# Altium PCB 2016_BeaconIR_YahourtPhone.PCBDOC (part 1 of 2) (continued)
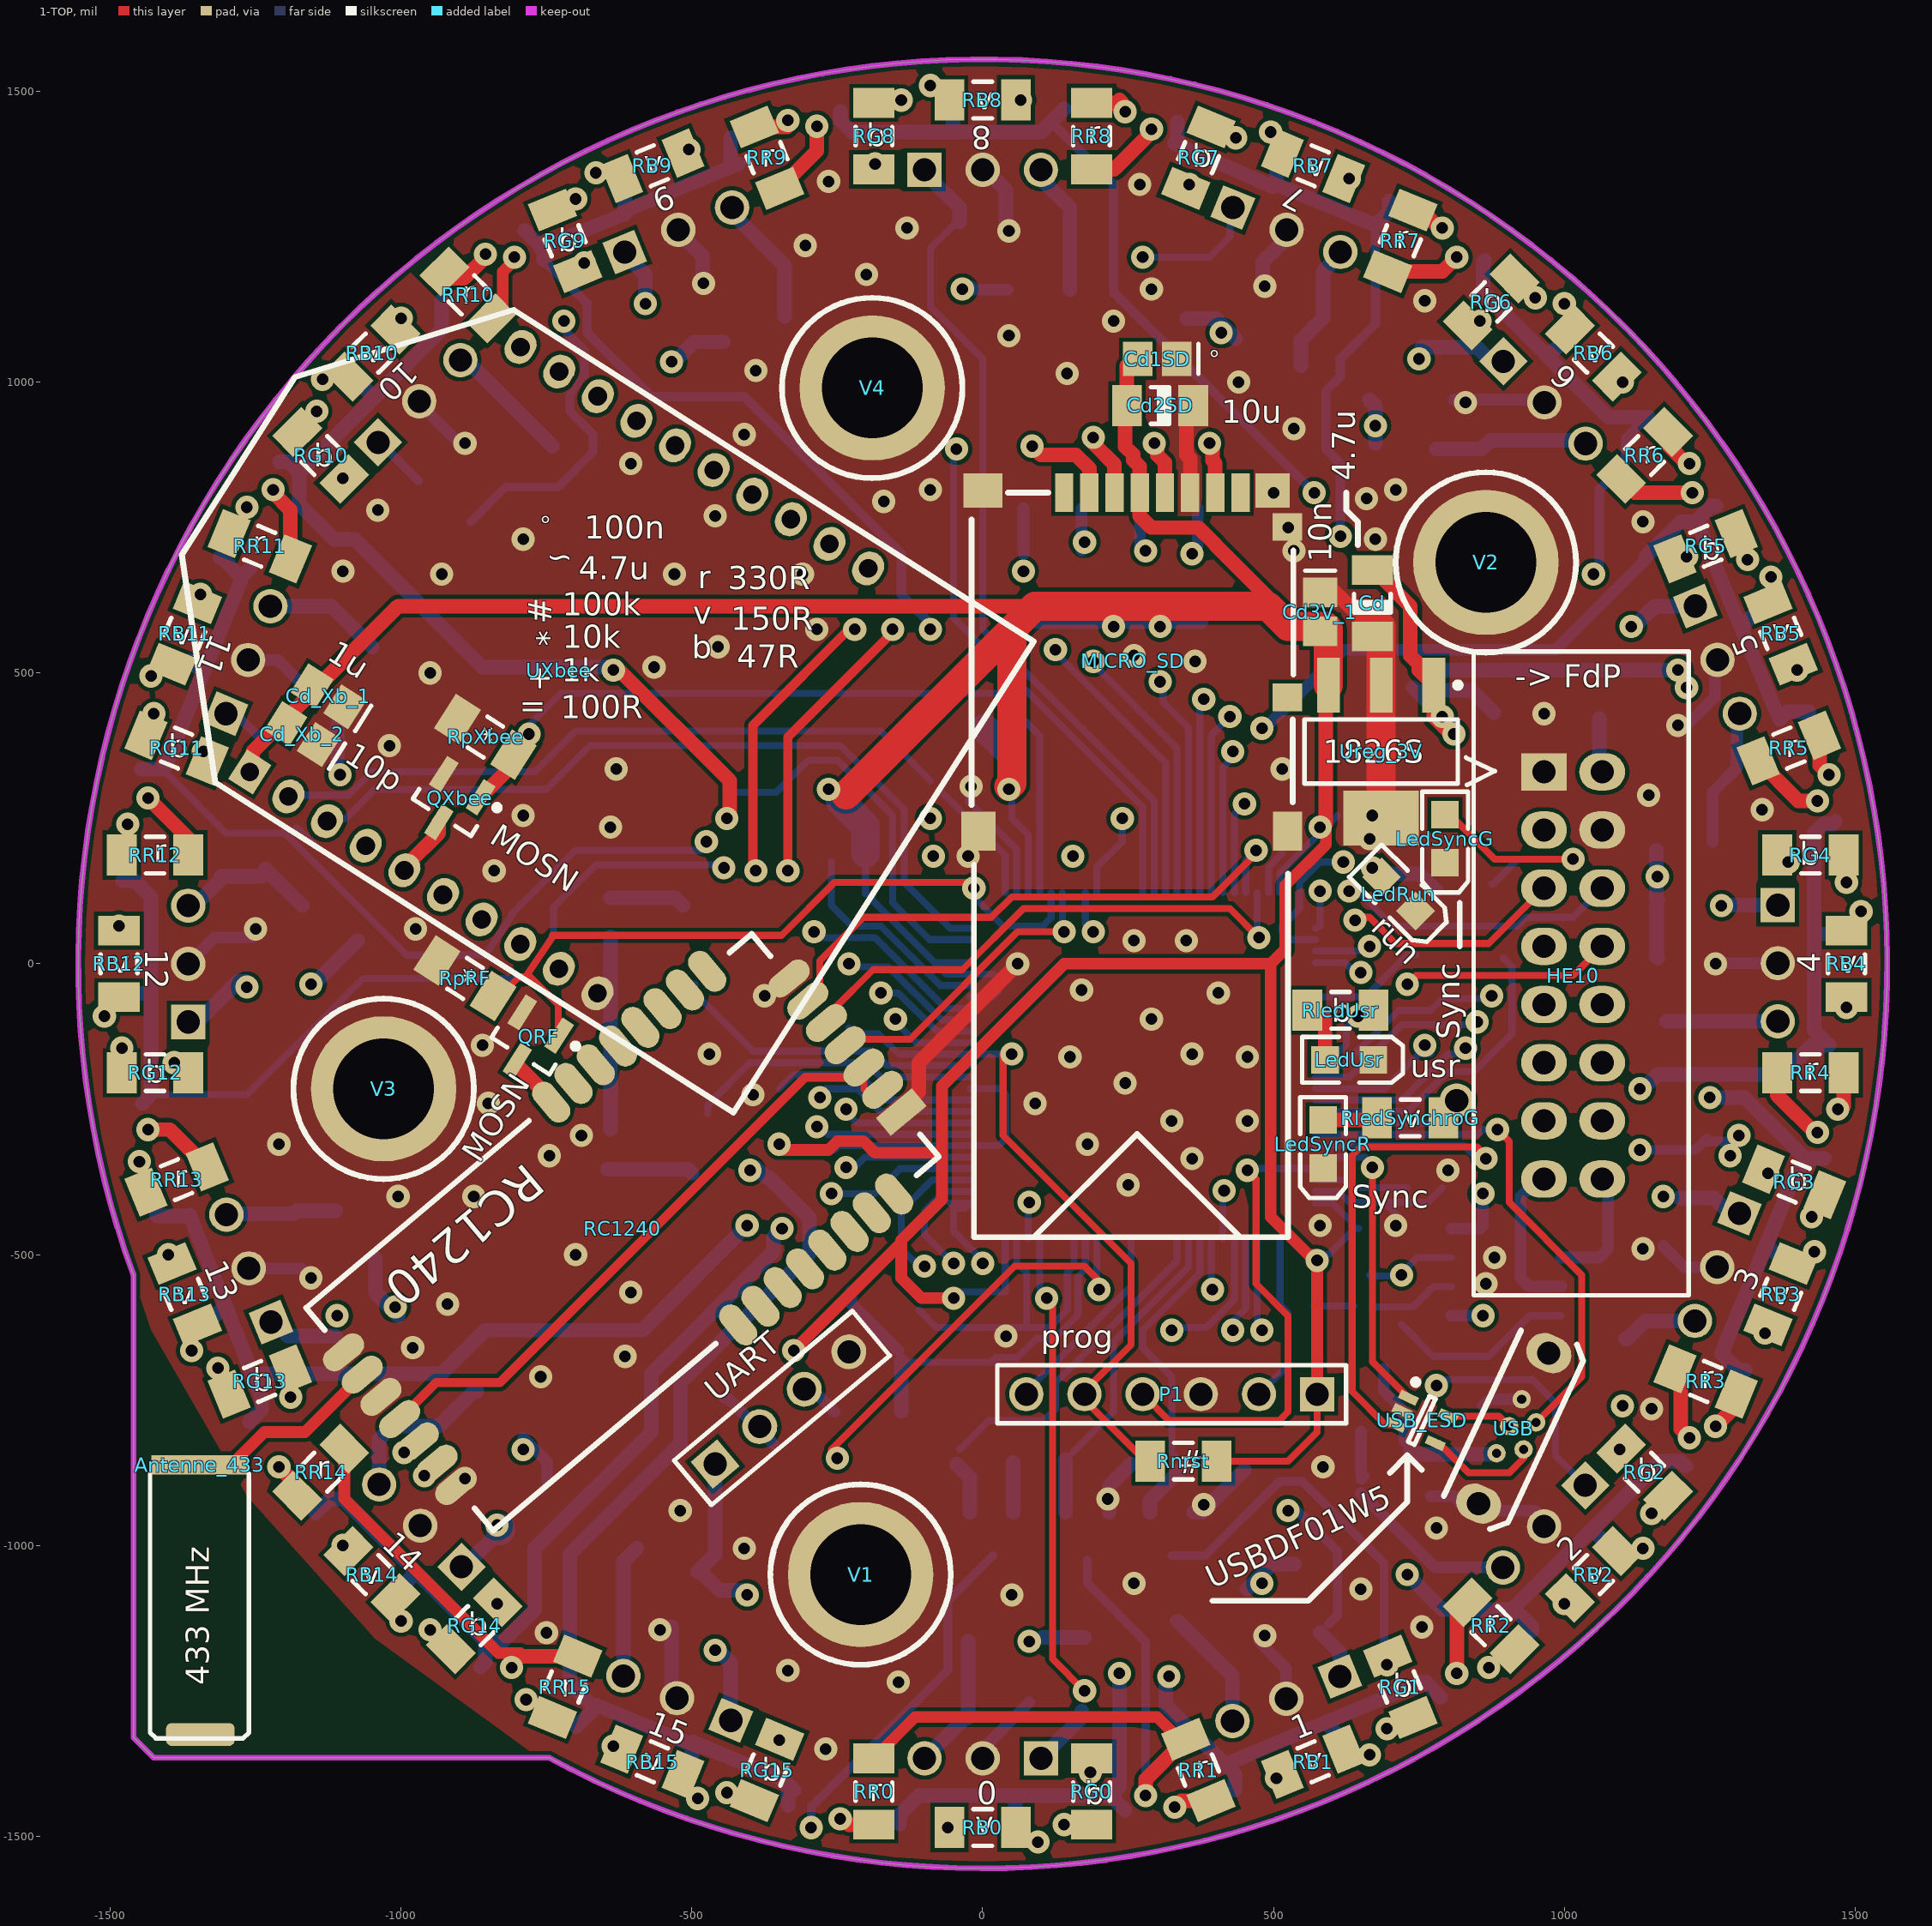
[diagram p0: 1-TOP view]
## Components (designator, comment, footprint, x,y, rotation, side; value= is the part's Value field where it differs from the comment)
Antenne_433 "433MHz" R1206_N#1 -1345,-1090 r270 top
C46 "17pF" C0805_N -645,-320 r270 bottom
C47 "17pF" C0805_N -640,80 r90 bottom
C49 "2.2uF" C0805_N 515,295 r270 bottom
C50 "2.2uF" C0805_N 765,-365 r180 bottom
Cd "10nF" C1206_N 670,620 r90 top
Cd0 "100nF" C0805_N -235,190 r0 bottom
Cd1 "100nF" C0805_N -50,-605 r90 bottom
Cd1SD "100nF" C0805_N 300,1040 r180 top
Cd2 "100nF" C0805_N -30,405 r0 bottom
Cd2SD "10uF" C1206_N 305,960 r180 top
Cd3 "100nF" C0805_N 600,295 r270 bottom
Cd3V_1 "4.7u" C0805_N 580,605 r270 top
Cd4 "100nF" C0805_N 575,-550 r90 bottom
Cd5 "1nF" C0805_N 680,-455 r180 bottom
Cd6 "1nF" C0805_N -235,120 r0 bottom
Cd7 "1nF" C0805_N 15,325 r0 bottom
Cd8 "1nF" C0805_N -360,-265 r270 bottom
Cd9 "1nF" C0805_N 25,-605 r90 bottom
Cd_Xb_1 "1uF" C0805_N -1125,460 r147.5 top
Cd_Xb_2 "10pF" C0805_N -1170,395 r147.5 top
Cdcan1 "100nF" C0805_N 650,-570 r90 bottom
Cdcan2 "1µF" C0805_N 715,-570 r90 bottom
CdUsb "2.2uF" C0805_N 840,-800 r65 bottom
Cf0 "1657937" C1206_N 40,-1255 r180 bottom
Cf1 "1657937" C1206_N 429,-1185 r202.5 bottom
Cf2 "1657937" C1206_N 705,-905 r160 bottom
Cf3 "1657937" C1206_N 1141,-534 r247.5 bottom
Cf4 "1657937" C1206_N 1259,-57 r270 bottom
Cf5 "1657937" C1206_N 1215,350 r292.5 bottom
Cf6 "1657937" C1206_N 830,950 r315 bottom
Cf7 "1657937" C1206_N 534,1141 r337.5 bottom
Cf8 "1657937" C1206_N 102,1259 r0 bottom
Cf9 "1657937" C1206_N -429,1185 r22.5 bottom
Cf10 "1657937" C1206_N -850,930 r45 bottom
Cf11 "1657937" C1206_N -1141,534 r67.5 bottom
Cf12 "1657937" C1206_N -1255,115 r90 bottom
Cf13 "1657937" C1206_N -1160,-489 r112.5 bottom
Cf14 "1657937" C1206_N -900,-835 r135 bottom
Cf15 "1657937" C1206_N -589,-1116 r157.5 bottom
Cnrst "100nF" C0805_N -270,-100 r0 bottom
Cu1rx "100pF" C0805_N -130,-630 r270 bottom
DB0 "LED" LED_sideView_1204 5,-1485 r180 bottom
DB1 "LED" LED_sideView_1204 568,-1372 r202.5 bottom
DB2 "LED" LED_sideView_1204 1050,-1050 r225 bottom
DB3 "LED" LED_sideView_1204 1372,-568 r247.5 bottom
DB4 "LED" LED_sideView_1204 1485,0 r270 bottom
DB5 "LED" LED_sideView_1204 1372,568 r292.5 bottom
DB6 "LED" LED_sideView_1204 1050,1050 r315 bottom
DB7 "LED" LED_sideView_1204 568,1372 r337.5 bottom
DB8 "LED" LED_sideView_1204 0,1485 r0 bottom
DB9 "LED" LED_sideView_1204 -568,1372 r22.5 bottom
DB10 "LED" LED_sideView_1204 -1050,1050 r45 bottom
DB11 "LED" LED_sideView_1204 -1372,568 r67.5 bottom
DB12 "LED" LED_sideView_1204 -1485,0 r90 bottom
DB13 "LED" LED_sideView_1204 -1372,-568 r112.5 bottom
DB14 "LED" LED_sideView_1204 -1050,-1050 r135 bottom
DB15 "LED" LED_sideView_1204 -568,-1372 r157.5 bottom
DG0 "LED" LED_sideView_1204 194,-1472 r187.5 bottom
DG1 "LED" LED_sideView_1204 743,-1286 r210 bottom
DG2 "LED" LED_sideView_1204 1178,-904 r232.5 bottom
DG3 "LED" LED_sideView_1204 1434,-384 r255 bottom
DG4 "LED" LED_sideView_1204 1472,194 r277.5 bottom
DG5 "LED" LED_sideView_1204 1286,743 r300 bottom
DG6 "LED" LED_sideView_1204 904,1178 r322.5 bottom
DG7 "LED" LED_sideView_1204 384,1434 r345 bottom
DG8 "LED" LED_sideView_1204 -194,1472 r7.5 bottom
DG9 "LED" LED_sideView_1204 -743,1286 r30 bottom
DG10 "LED" LED_sideView_1204 -1178,904 r52.5 bottom
DG11 "LED" LED_sideView_1204 -1434,384 r75 bottom
DG12 "LED" LED_sideView_1204 -1472,-194 r97.5 bottom
DG13 "LED" LED_sideView_1204 -1286,-743 r120 bottom
DG14 "LED" LED_sideView_1204 -904,-1178 r142.5 bottom
DG15 "LED" LED_sideView_1204 -384,-1434 r165 bottom
DR0 "LED" LED_sideView_1204 -194,-1472 r172.5 bottom
DR1 "LED" LED_sideView_1204 384,-1434 r195 bottom
DR2 "LED" LED_sideView_1204 904,-1178 r217.5 bottom
DR3 "LED" LED_sideView_1204 1286,-743 r240 bottom
DR4 "LED" LED_sideView_1204 1472,-194 r262.5 bottom
DR5 "LED" LED_sideView_1204 1434,384 r285 bottom
DR6 "LED" LED_sideView_1204 1178,904 r307.5 bottom
DR7 "LED" LED_sideView_1204 743,1286 r330 bottom
DR8 "LED" LED_sideView_1204 194,1472 r352.5 bottom
DR9 "LED" LED_sideView_1204 -384,1434 r15 bottom
DR10 "LED" LED_sideView_1204 -904,1178 r37.5 bottom
DR11 "LED" LED_sideView_1204 -1286,743 r60 bottom
DR12 "LED" LED_sideView_1204 -1472,194 r82.5 bottom
DR13 "LED" LED_sideView_1204 -1434,-384 r105 bottom
DR14 "LED" LED_sideView_1204 -1178,-904 r127.5 bottom
DR15 "LED" LED_sideView_1204 -743,-1286 r150 bottom
Dz5V1 "Diode Zener" "SMA Diode" 740,400 r90 bottom
HE10 "BARRETTE_8 CONTACTS_2 RANGEES_MALE_DROITE" "HE10/16_M_D_B P" 1065,330 r270 top (schematic designator J?)
LedRun "LED Verte" LED_0805 715,120 r315 top
LedSyncG "LED Verte" LED_0805 795,215 r270 top
LedSyncR "LED Verte" LED_0805 585,-310 r270 top
LedUsr "LED Bleue" LED_0805 630,-165 r0 top
MICRO_SD "MOLEX_MICRO_SD_HEADER_5027740891" MOLEX_MICRO_SD_HEADER_5027740891 140,810 r180 top locked
P1 "ProgSWD" HDR1X6 575,-740 r180 top
Qb "MOSN" SOT23-3N 15,-980 r270 bottom
Qg "MOSN" SOT23-3N 325,-980 r270 bottom
Qr "MOSN" SOT23-3N 180,-980 r270 bottom
QRF "Transistor MOSFET-N" SOT23-3N -780,-135 r237.5 top
QXbee "Transistor MOSFET-N" SOT23-3N -915,275 r237.5 top
RB0 "47" R1206_N#2 0,-1485 r180 top
RB1 "47" R1206_N#2 568,-1372 r202.5 top
RB2 "47" R1206_N#2 1050,-1050 r225 top
RB3 "47" R1206_N#2 1372,-568 r247.5 top
RB4 "47" R1206_N#2 1485,0 r270 top
RB5 "47" R1206_N#2 1372,568 r292.5 top
RB6 "47" R1206_N#2 1050,1050 r315 top
RB7 "47" R1206_N#2 568,1372 r337.5 top
RB8 "47" R1206_N#2 0,1485 r0 top
RB9 "47" R1206_N#2 -568,1372 r22.5 top
RB10 "47" R1206_N#2 -1050,1050 r45 top
RB11 "47" R1206_N#2 -1372,568 r67.5 top
RB12 "47" R1206_N#2 -1485,0 r90 top
RB13 "47" R1206_N#2 -1372,-568 r112.5 top
RB14 "47" R1206_N#2 -1050,-1050 r135 top
RB15 "47" R1206_N#2 -568,-1372 r157.5 top
RC1240 "RC1240-Radiocraft" RC1240 -140,-255 r220 top
RdwnWAmI "0" R1206_N#2 -490,315 r0 bottom
Rf0 "47" R1206_N#2 45,-1150 r180 bottom
Rf1 "47" R1206_N#2 393,-1091 r202.5 bottom
Rf2 "47" R1206_N#2 670,-750 r250 bottom
Rf3 "47" R1206_N#2 1070,-710 r67.5 bottom
Rf4 "47" R1206_N#2 1159,-55 r270 bottom
Rf5 "47" R1206_N#2 1215,195 r0 bottom
Rf6 "47" R1206_N#2 720,885 r0 bottom
Rf7 "47" R1206_N#2 494,1050 r337.5 bottom
Rf8 "47" R1206_N#2 100,1159 r0 bottom
Rf9 "47" R1206_N#2 -393,1091 r22.5 bottom
Rf10 "47" R1206_N#2 -780,860 r45 bottom
Rf11 "47" R1206_N#2 -1050,494 r67.5 bottom
Rf12 "47" R1206_N#2 -1130,75 r135 bottom
Rf13 "47" R1206_N#2 -1060,-470 r112.5 bottom
Rf14 "47" R1206_N#2 -828,-766 r135 bottom
Rf15 "47" R1206_N#2 -549,-1025 r157.5 bottom
RG0 "150" R1206_N#2 187,-1423 r270 top
RG1 "150" R1206_N#2 718,-1243 r292.5 top
RG2 "150" R1206_N#2 1138,-874 r315 top
RG3 "150" R1206_N#2 1395,-375 r337.5 top
RG4 "150" R1206_N#2 1423,187 r0 top
RG5 "150" R1206_N#2 1243,718 r22.5 top
RG6 "150" R1206_N#2 874,1138 r45 top
RG7 "150" R1206_N#2 371,1386 r67.5 top
RG8 "150" R1206_N#2 -187,1423 r90 top
RG9 "150" R1206_N#2 -718,1243 r112.5 top
RG10 "150" R1206_N#2 -1138,874 r135 top
RG11 "150" R1206_N#2 -1386,371 r157.5 top
RG12 "150" R1206_N#2 -1423,-187 r180 top
RG13 "150" R1206_N#2 -1243,-718 r202.5 top
RG14 "150" R1206_N#2 -874,-1138 r225 top
RG15 "150" R1206_N#2 -371,-1386 r247.5 top
Rledrun "150" R1206_N#2 750,80 r270 bottom
RledSynchroG "150" R1206_N#2 735,-265 r0 top
RledSynchroR "150" R1206_N#2 875,80 r270 bottom
RledUsr "150" R1206_N#2 615,-80 r0 top
Rnrst "100k" R1206_N#2 345,-855 r0 top
Rp "1R-1W" INDUCTANCE_CMS_1812 1060,410 r180 bottom
Rp0 "10k" R1206_N#2 175,-1215 r270 bottom
Rp1 "10k" R1206_N#2 558,-1085 r292.5 bottom
Rp2 "10k" R1206_N#2 755,-780 r70 bottom
Rp3 "10k" R1206_N#2 1220,-350 r247.5 bottom
Rp4 "10k" R1206_N#2 1216,100 r0 bottom
Rp5 "10k" R1206_N#2 1150,520 r112.5 bottom
Rp6 "10k" R1206_N#2 700,1015 r45 bottom
Rp7 "10k" R1206_N#2 373,1162 r67.5 bottom
Rp8 "10k" R1206_N#2 -35,1220 r90 bottom
Rp9 "10k" R1206_N#2 -558,1085 r112.5 bottom
Rp10 "10k" R1206_N#2 -930,790 r135 bottom
Rp11 "10k" R1206_N#2 -1162,373 r157.5 bottom
Rp12 "10k" R1206_N#2 -1210,-20 r180 bottom
Rp13 "10k" R1206_N#2 -1060,-618 r202.5 bottom
Rp14 "10k" R1206_N#2 -789,-930 r225 bottom
Rp15 "10k" R1206_N#2 -435,-1130 r247.5 bottom
RpdB "100K" R1206_N#2 10,-850 r180 bottom
RpdG "100K" R1206_N#2 395,-850 r180 bottom
RpdR "100K" R1206_N#2 200,-850 r180 bottom
RpRF "10k" R1206_N#2 -890,-25 r147.5 top
RpudCs "47k" R1206_N#2 70,650 r90 bottom
RpudMiso "47k" R1206_N#2 375,645 r270 bottom
RpudMosi "47k" R1206_N#2 175,650 r90 bottom
RpudSck "47k" R1206_N#2 275,645 r270 bottom
RpuU1rx "10k" R1206_N#2 -270,-600 r220 bottom
RpuU1tx "1M" R1206_N#2 -400,-710 r40 bottom
RpXbee "10k" R1206_N#2 -855,390 r147.5 top
RR0 "330" R1206_N#2 -187,-1423 r270 top
RR1 "330" R1206_N#2 371,-1386 r292.5 top
RR2 "330" R1206_N#2 874,-1138 r315 top
RR3 "330" R1206_N#2 1243,-718 r337.5 top
RR4 "330" R1206_N#2 1423,-187 r0 top
RR5 "330" R1206_N#2 1386,371 r22.5 top
RR6 "330" R1206_N#2 1138,874 r45 top
RR7 "330" R1206_N#2 718,1243 r67.5 top
RR8 "330" R1206_N#2 187,1423 r90 top
RR9 "330" R1206_N#2 -371,1386 r112.5 top
RR10 "330" R1206_N#2 -885,1150 r135 top
RR11 "330" R1206_N#2 -1243,718 r157.5 top
RR12 "330" R1206_N#2 -1423,187 r180 top
RR13 "330" R1206_N#2 -1386,-371 r202.5 top
RR14 "330" R1206_N#2 -1138,-874 r225 top
RR15 "330" R1206_N#2 -718,-1243 r247.5 top
RsdCS "22" R1206_N#2 70,840 r90 bottom
RsdMiso "22" R1206_N#2 370,840 r90 bottom
RsdMosi "22" R1206_N#2 170,840 r90 bottom
RsdSck "22" R1206_N#2 270,840 r90 bottom
Rst "Goutte Strap_2" "Goutte Strap_2 Pads_Clearance 0.254mm" 155,210 r120 bottom
Rsu1rx "1k" R1206_N#2 -195,-755 r180 bottom
Rsu1tx "100" R1206_N#2 -290,-845 r0 bottom
RupWAmI "0" R1206_N#2 -315,270 r0 bottom
Rx "Goutte Strap_2" "Goutte Strap_2 Pads_Clearance 0.254mm" -90,245 r90 bottom
STM32 "STM32F407VGT6" STM-LQFP100_N 275,-175 r0 bottom locked
Sync "Sync" "Point Test_D0.9_P0.5mm" 815,-235 r90 bottom
TSOP0 "TSOP" TSOP 100,-1366 r180 bottom
TSOP1 "TSOP" TSOP 614.19,-1225.32 r202.5 bottom
TSOP2 "TSOP" TSOP 1035.84,-896.51 r225 bottom
TSOP3 "TSOP" TSOP 1301.05,-429.12 r247.5 bottom
TSOP4 "TSOP" TSOP 1367,101 r270 bottom
TSOP5 "TSOP" TSOP 1225,615 r292.5 bottom
TSOP6 "TSOP" TSOP 895.04,1035.83 r315 bottom
TSOP7 "TSOP" TSOP 430.05,1300.31 r337.5 bottom
TSOP8 "TSOP" TSOP -100,1365 r0 bottom
TSOP9 "TSOP" TSOP -615.61,1223.68 r22.5 bottom
TSOP10 "TSOP" TSOP -1039.49,896.47 r45 bottom
TSOP11 "TSOP" TSOP -1301.22,430.01 r67.5 bottom
TSOP12 "TSOP" TSOP -1366,-100 r90 bottom
TSOP13 "TSOP" TSOP -1223.63,-616.05 r112.5 bottom
TSOP14 "TSOP" TSOP -896.29,-1036.65 r135 bottom
TSOP15 "TSOP" TSOP -433.1,-1300.77 r157.5 bottom
Tx "Goutte Strap_2" "Goutte Strap_2 Pads_Clearance 0.254mm" -90,175 r270 bottom
UART "BARRETTE4" HDR1X4 -460,-860 r40 top
Ucan "MCP2551-I/SN" SO8_N 900,-530 r0 bottom
Ureg_3V "MCP1826S-3302E/DB" SOT223-4N 685,365 r270 top
USB "USB_B_MINI" USB_MICROAB_VERTICAL 905,-795 r65 top
USB_ESD "USBDF01W5" SOT353_N 755,-785 r335 top
UXbee "XBee" MODULE_XBEE -1260,330 r57.5 top locked (schematic designator U2)
V1 "Entretoise WURTH CMS" ENTRETOISE_CMS_DOUBLE -210,-1050 r0 top
V2 "Entretoise WURTH CMS" ENTRETOISE_CMS_DOUBLE 865,690 r0 top
V3 "Entretoise WURTH CMS" ENTRETOISE_CMS_DOUBLE -1030,-215 r0 top
V4 "Entretoise WURTH CMS" ENTRETOISE_CMS_DOUBLE -190,990 r0 top
Y1 "8 MHz" HC49/4H_SMX -505,-165 r270 bottom

## Footprints (in the part's own frame and the unit in brackets; to place one, negate y for a bottom-side part, rotate by r counter-clockwise, add the part's x,y. Pads: shape width x height; smd on the part's side, far side on the other; paste and mask are expansions set on the pad)
C0805_N [mm] "Chip Capacitor, Body 2.0x1.3mm, IPC Medium Density"
  rect 1.3x1.5 smd: 1(-0.85,0) 2(0.85,0)
  silkscreen extent -1.8,-0.65 -1.8,0.65, body extent -0.99,-0.63 1.01,0.63, height 0.8
C1206_N [mm] "Chip Capacitor, Body 3.2x1.6mm, IPC Medium Density"
  rect 1.3x1.8 smd: 1(-1.45,0) 2(1.45,0)
  silkscreen extent -0.4,-0.8 0.4,0.8, body extent -1.57,-0.81 1.63,0.79, height 1.02
ENTRETOISE_CMS_DOUBLE [mm] "Entretoise CMS Wurth trou 4.4mm"
  round 6.35 hole 4.4: 1(0,0)
  silkscreen extent -3.94,-3.94 3.94,3.94, body extent -2.99,-3 2.99,3, height 5.5
"Goutte Strap_2 Pads_Clearance 0.254mm" [mil] "Goutte Strap_2 Pads_Clearance 0.254mm"
  rect 50x50 smd mask+7.87: 1(0,0) 2(60,0)
  silkscreen extent -35,-35 95,35
HC49/4H_SMX [mm] "Quartz Crystal, SM; Body 13.4 (inc. leads) x 4.9 mm (LxW max)"
  rect 5.5x2 smd: 1(-4.75,0) 2(4.75,0)
  silkscreen extent -5.7,-2.45 5.7,2.45, body extent -6.7,-2.45 6.7,2.45, height 5.08
HDR1X4 [mil] "Connector; Header; 4 Position"
  rect 60x60 hole 40: 1(0,0)
  round 60 hole 40: 2(100,0) 3(200,0) 4(300,0)
  silkscreen extent -50,-50 350,50
HDR1X6 [mm] "Connector; Header; 6 Position"
  rect 1.5x1.5 hole 1.016: 1(0,0)
  round 1.5 hole 1.016: 2(2.54,0) 3(5.08,0) 4(7.62,0) 5(10.16,0) 6(12.7,0)
  silkscreen extent -1.27,-1.27 13.97,1.27
"HE10/16_M_D_B P" [mm] "HE10 ; 16 CONTACTS ; MALE ;  DROIT; BAS PROFIL ; ESPACEMENTS BROCHES = 2.54 mm"
  rect 1.63x2 hole 1.016: 1(0,-2.54)
  oval 1.63x2 hole 1.016: 2(0,0) 3(2.54,-2.54) 4(2.54,0) 5(5.08,-2.54) 6(5.08,0) 7(7.62,-2.54) 8(7.62,0) 9(10.16,-2.54) 10(10.16,0) 11(12.7,-2.54) 12(12.7,0) 13(15.24,-2.54) 14(15.24,0) 15(17.78,-2.54) 16(17.78,0)
  silkscreen extent -5.26,-5.95 22.86,3.78, body extent -5.1,-5.8 22.72,3.6, height 8.8
INDUCTANCE_CMS_1812 [mm] "INDUCTANCE CMS 1812 ; DIMENSIONS : 4.5mm x 3.2mm"
  rect 1.5x2.8 smd: 1(0,0.3) 2(4.6,0.3)
  silkscreen extent -1,-1.5 5.6,2.1, body extent 0.05,-1.3 4.55,1.9, height 3.24
LED_0805 [mm] "SM LED; 2 Flat Leads"
  rect 1.2x1.2 smd: 1(-1.05,0) 2(1.05,0)
  silkscreen extent -2.05,-1 2.35,1, body extent -1.05,-0.63 1.06,0.63, height 1.2
LED_sideView_1204 [mm] "SM LED; 2 Flat Leads"
  rect 0.8x1 smd: 0(0,0)
  rect 0.6x1 smd: 1(-1.3,0) 2(1.3,0)
  silkscreen extent -1.78,-1.76 1.91,0.51, body extent -1.6,-1.65 1.6,0.64, height 1.2
MODULE_XBEE [mil] "XBee Series 2 OEM RF Modules"
  rect 60x50 hole 32: 1(0,0)
  oval 60x50 hole 32: 2(0,-78.74) 3(0,-157.48) 4(0,-236.22) 5(0,-314.96) 6(0,-393.7) 7(0,-472.44) 8(0,-551.18) 9(0,-629.92) 10(0,-708.66) 11(866.14,-708.66) 12(866.14,-629.92) 13(866.14,-551.18) 14(866.14,-472.44) 15(866.14,-393.7) 16(866.14,-314.96) 17(866.14,-236.22) 18(866.14,-157.48) 19(866.14,-78.74) 20(866.14,0)
  silkscreen extent -48,-1016 914,299, body extent -43,-992 917,305, height 362
MOLEX_MICRO_SD_HEADER_5027740891 [mm]
  rect 1.27x1.7 smd: 0(-9.754,14.783)
  rect 1.5x1.5 smd: 0(-9.1,-0.1)
  rect 1.7x1.5 smd: 0(3.55,-0.1)
  rect 1.5x1.7 smd: 0(3.74,14.783)
  rect 0.8x1.68 smd: 1(0,0) 2(-1.1,0) 3(-2.2,0) 4(-3.3,0) 5(-4.4,0) 6(-5.5,0) 7(-6.6,0) 8(-7.7,0)
  rect 1.3x1.2 smd: 9(-9.75,1.49) 10(-9.75,8.94)
  round 1.524 on Top Overlay: ""(0.432,1.93)
  silkscreen extent -10.01,0 4.04,32.51, body extent -10.1,-0.68 4.2,15.32, height 1.88
"Point Test_D0.9_P0.5mm" [mm] "Test point for PCB_Hole 0.5mm"
  round 1.5 hole 1.016: 1(0,0)
  silkscreen extent -0.9,-0.89 0.9,0.9
R1206_N#1 [mm] "Chip Resistor, Body 3.2x1.6mm, IPC Medium Density"
  rect 0.85x4.2 smd: 1(-5.804,-0.038)
  silkscreen extent -5.42,-2.2 6.13,2.12, body extent -1.68,-0.87 1.68,0.87, height 0.71
R1206_N#2 [mm] "Chip Resistor, Body 3.2x1.6mm, IPC Medium Density"
  rect 1.3x1.8 smd: 1(-1.45,0) 2(1.45,0)
  silkscreen extent -0.4,-0.8 0.4,0.8, body extent -1.68,-0.87 1.68,0.87, height 0.71
RC1240 [mil]
  round 40 on Top Overlay: 0(50,50)
  rect 80x40 smd: 1(0,0)
  oval 80x40 smd: 2(0,-50) 3(0,-100) 4(0,-150) 5(0,-200) 6(0,-250) 7(0,-300) 8(1000,-300) 9(1000,-250) 10(1000,-200) 11(1000,-150) 12(1000,-100) 13(1000,-50) 14(1000,0)
  oval 40x80 smd: 15(100,-400) 16(150,-400) 17(200,-400) 18(250,-400) 19(300,-400) 20(350,-400) 21(400,-400) 22(450,-400) 23(450,100) 24(400,100) 25(350,100) 26(300,100) 27(250,100) 28(200,100) 29(150,100) 30(100,100)
  silkscreen extent 0,-400 1000,100, body extent 0,-400 1000,100, height 138
"SMA Diode" [mm] "Case 403D-02"
  rect 2x2 smd: 1(-2,0) 2(2,0)
  silkscreen extent -3.57,-1.5 2.8,1.78, body extent -2.8,-1.46 2.79,1.46, height 2.41
SO8_N [mm] "SOIC, 8-Leads, Body 4.9x3.9mm, Pitch 1.27mm, IPC Medium Density"
  oval 2.2x0.6 smd: 1(-2.4,1.905) 2(-2.4,0.635) 3(-2.4,-0.635) 4(-2.4,-1.905) 5(2.4,-1.905) 6(2.4,-0.635) 7(2.4,0.635) 8(2.4,1.905)
  silkscreen extent -2.52,-2.5 0.9,2.88, body extent -2,-2.5 2,2.5, height 1.75
SOT23-3N [mm] "SOT23, 3-Leads, Body 2.9x1.3mm, Pitch 0.95mm, Lead Span 2.5mm, IPC Medium Density"
  rect 1.5x0.6 smd: 1(-0.95,0.95) 2(-0.95,-0.95) 3(0.95,0)
  silkscreen extent -1.07,-1.5 0.7,1.92, body extent -1.24,-1.5 1.23,1.5, height 1.1
SOT223-4N [mm] "SOT223/SC73, 4-Leads, Body 6.5x3.5mm, Pitch 2.3mm, Lead Span 7mm, IPC Medium Density"
  rect 2.4x1 smd: 1(-2.9,2.3) 2(-2.9,0) 3(-2.9,-2.3)
  rect 2.4x3.3 smd: 4(2.9,0)
  silkscreen extent -3.02,-3.35 1.4,3.48, body extent -3.39,-3.35 3.5,3.35, height 1.8
SOT353_N [mm] "SOT353, 5-Leads, Body 2x1.3mm, Pitch 0.65mm, Lead Span 2.1mm, IPC Medium Density"
  rect 0.85x0.4 smd: 1(-0.95,0.65) 2(-0.95,0) 3(-0.95,-0.65) 4(0.95,-0.65) 5(0.95,0.65)
  silkscreen extent -1.07,-1.1 0.15,1.52, body extent -1.04,-1.1 1.06,1.1, height 1.1
STM-LQFP100_N [mm] "Thin QFP, 100-Leads, Body 14x14mm, Pitch 0.5mm, IPC Medium Density"
  oval 1.8x0.3 smd: 1(-7.55,6) 2(-7.55,5.5) 3(-7.55,5) 4(-7.55,4.5) 5(-7.55,4) 6(-7.55,3.5) 7(-7.55,3) 8(-7.55,2.5) 9(-7.55,2) 10(-7.55,1.5) 11(-7.55,1) 12(-7.55,0.5) 13(-7.55,0) 14(-7.55,-0.5) 15(-7.55,-1) 16(-7.55,-1.5) 17(-7.55,-2) 18(-7.55,-2.5) 19(-7.55,-3) 20(-7.55,-3.5) 21(-7.55,-4) 22(-7.55,-4.5) 23(-7.55,-5) 24(-7.55,-5.5) 25(-7.55,-6) 51(7.55,-6) 52(7.55,-5.5) 53(7.55,-5) 54(7.55,-4.5) 55(7.55,-4) 56(7.55,-3.5) 57(7.55,-3) 58(7.55,-2.5) 59(7.55,-2) 60(7.55,-1.5) 61(7.55,-1) 62(7.55,-0.5) 63(7.55,0) 64(7.55,0.5) 65(7.55,1) 66(7.55,1.5) 67(7.55,2) 68(7.55,2.5) 69(7.55,3) 70(7.55,3.5) 71(7.55,4) 72(7.55,4.5) 73(7.55,5) 74(7.55,5.5) 75(7.55,6)
  oval 0.3x1.8 smd: 26(-6,-7.55) 27(-5.5,-7.55) 28(-5,-7.55) 29(-4.5,-7.55) 30(-4,-7.55) 31(-3.5,-7.55) 32(-3,-7.55) 33(-2.5,-7.55) 34(-2,-7.55) 35(-1.5,-7.55) 36(-1,-7.55) 37(-0.5,-7.55) 38(0,-7.55) 39(0.5,-7.55) 40(1,-7.55) 41(1.5,-7.55) 42(2,-7.55) 43(2.5,-7.55) 44(3,-7.55) 45(3.5,-7.55) 46(4,-7.55) 47(4.5,-7.55) 48(5,-7.55) 49(5.5,-7.55) 50(6,-7.55) 76(6,7.55) 77(5.5,7.55) 78(5,7.55) 79(4.5,7.55) 80(4,7.55) 81(3.5,7.55) 82(3,7.55) 83(2.5,7.55) 84(2,7.55) 85(1.5,7.55) 86(1,7.55) 87(0.5,7.55) 88(0,7.55) 89(-0.5,7.55) 90(-1,7.55) 91(-1.5,7.55) 92(-2,7.55) 93(-2.5,7.55) 94(-3,7.55) 95(-3.5,7.55) 96(-4,7.55) 97(-4.5,7.55) 98(-5,7.55) 99(-5.5,7.55) 100(-6,7.55)